# Altium PCB miniBackplane.PcbDoc (part 18 of 24) (continued)
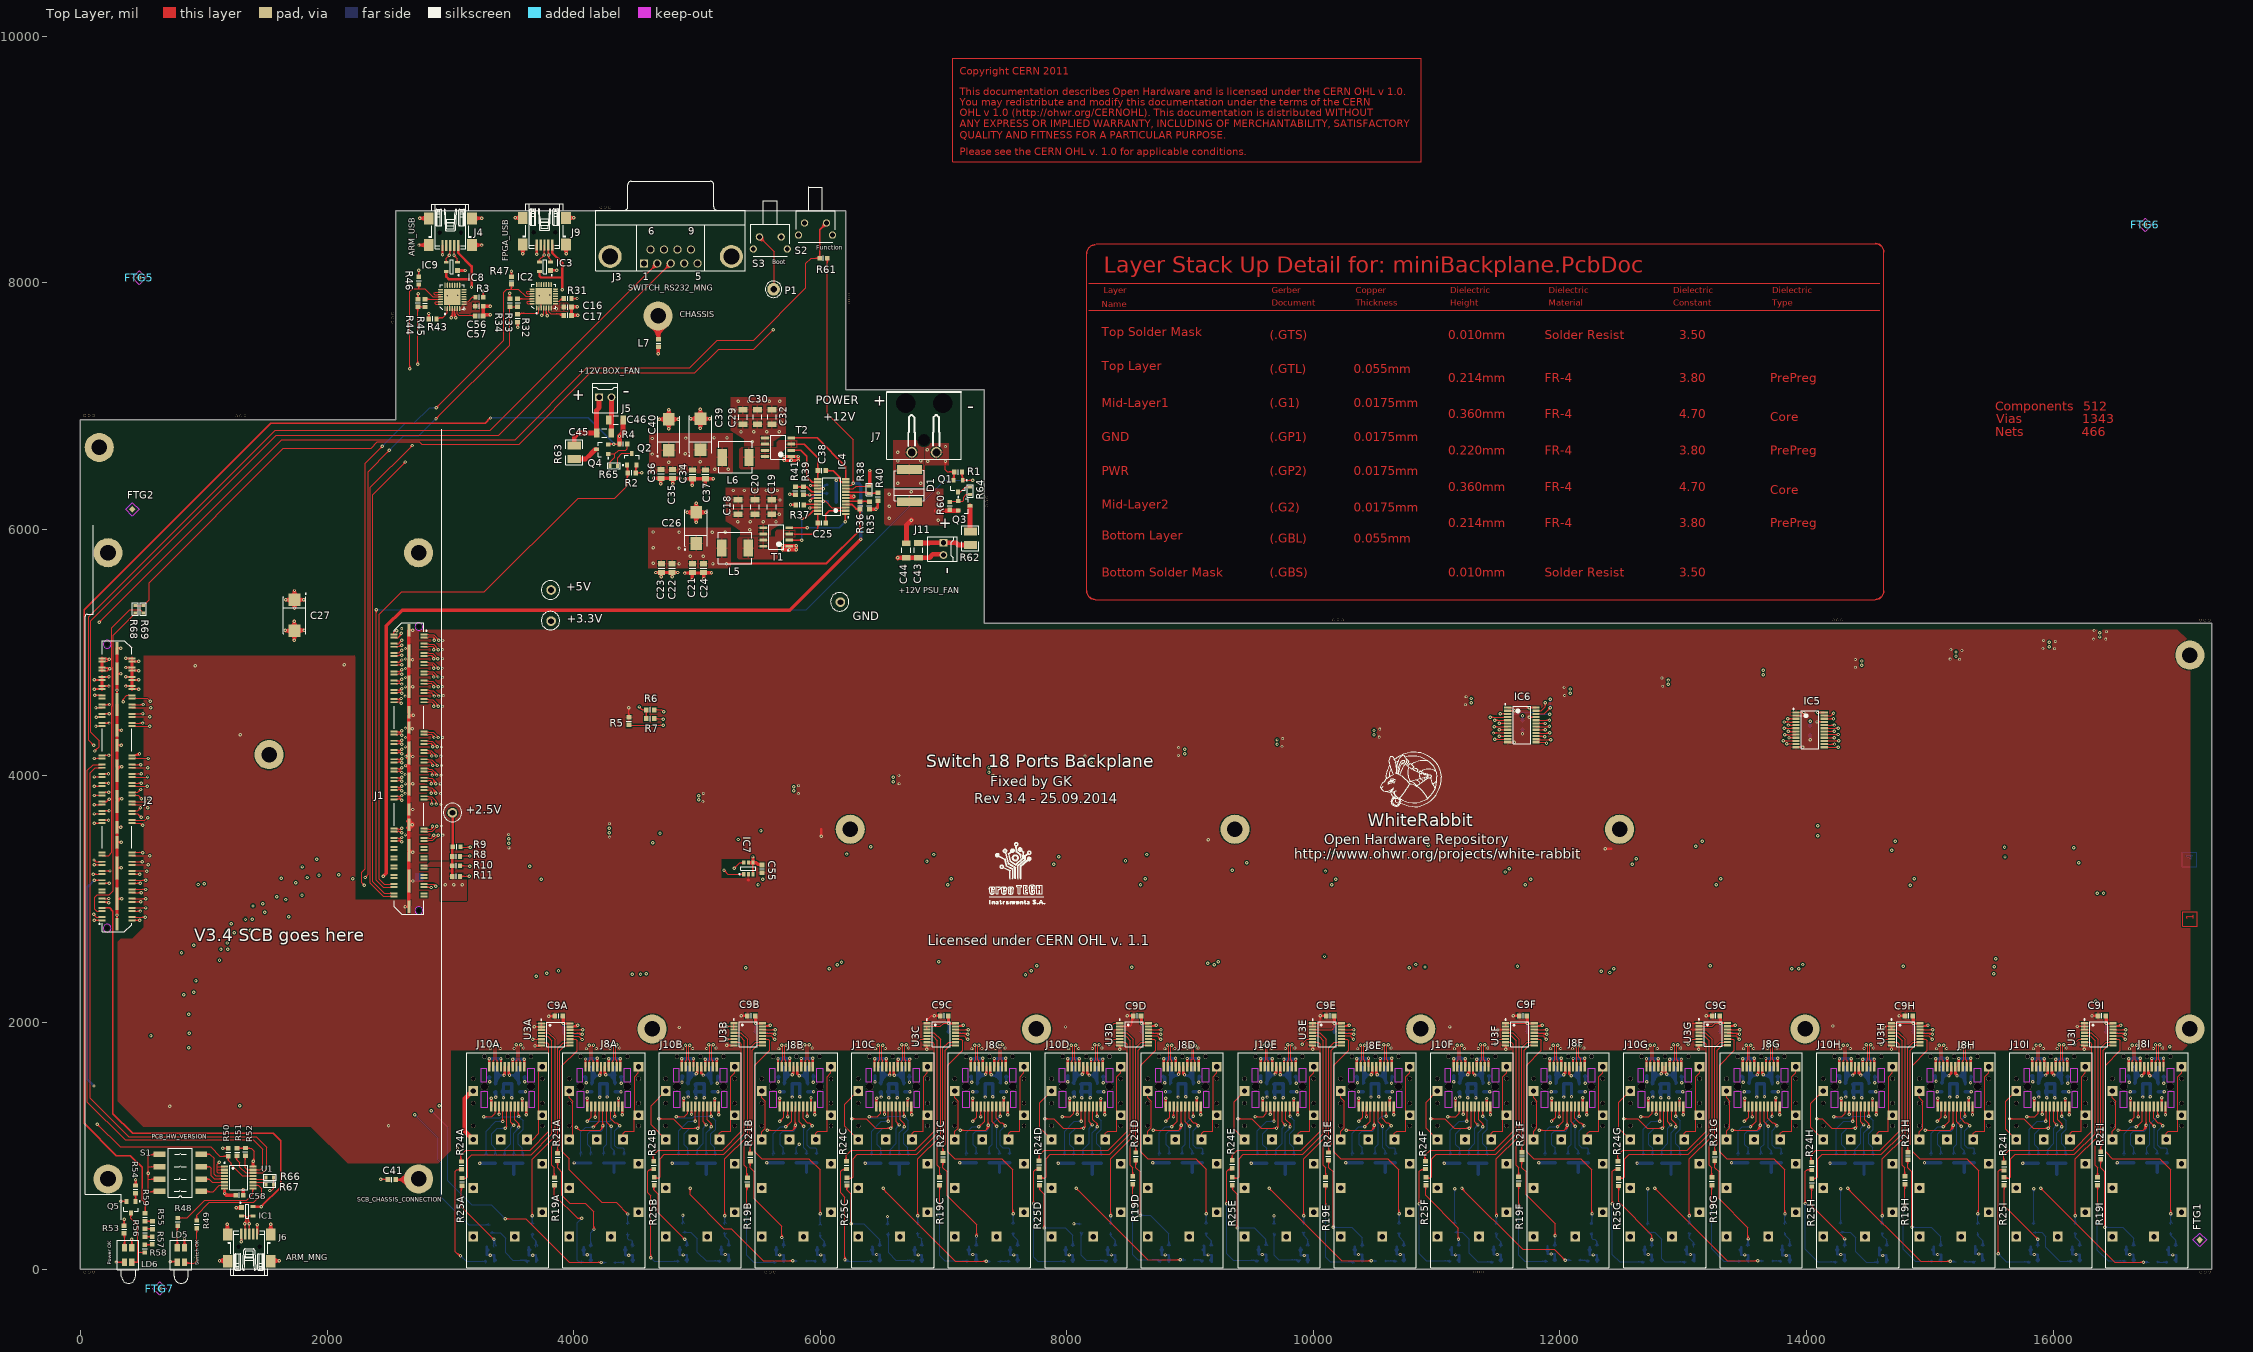
[diagram p0: Top Layer view]
## Nets (pads, with @x,y where several pads share a name; then routed paths per layer and width w, separated by ;. In a path a pad name is that pad's centre, name@x,y a point inside that pad or via, vN(x,y) a via of type N, cw(c..) or ccw(c..) an arc to the next point about the centre after c; other vN are vias at no path point) (continued)
NetC10D_2: C10D.2 C11D.1 J10D.16 L3D.1 | length 1722.8
  Top Layer w19.68: v1@8123.82,1581.32 8133.9,1591.39 ; v1@8130.12,1580.03 cw(c8147.72,1586.07) 8131.6,1595.38 ; J10D.16@8133.9,1642.88 8133.9,1591.39 ; 8133.9,1591.39 ccw(c8143.27,1582.02) 8130.26,1579.5 cw(c8143.27,1582.02) 8133.9,1591.39 ; v1@8123.61,1581.53 ccw(c8098.77,1606.37) 8133.9,1606.37 cw(c8098.77,1606.37) v1@8123.61,1581.53
  Bottom Layer w19.68: C10D.2@8052.68,1634.45 cw(c8043.61,1618.75) C10D.2@8061.13,1623.44 ; L3D.1@8056.13,1505.12 C10D.2@8056.13,1642.13 ; 8058.85,1528.11 ccw(c8071.8,1520.63) L3D.1@8060.55,1510.78 ; L3D.1@8062.18,1507.82 cw(c8083.08,1513.98) 8067.67,1529.39 ; 8062.32,1619 cw(c8086.12,1625.38) C10D.2@8064.78,1637.7 ; L3D.1@8062.62,1506.61 C11D.1@8062.62,1568.62 ; 8063.67,1531.86 ccw(c8037.59,1552.75) C11D.1@8068.98,1564.21 ; 8063.78,1613.07 cw(c8044.99,1595.23) C11D.1@8069.08,1585.69 ; 8068.58,1530.81 ccw(c8041.14,1547.7) C11D.1@8069.59,1562.84 ; C11D.1@8077.62,1573.62 8121.27,1573.62 v1(8126.39,1578.75) ; L3D.1@8049.06,1511.16 ccw(c8016.33,1543.89) 8062.62,1543.89 cw(c8016.33,1543.89) L3D.1@8049.06,1511.16 ; L3D.1@8049.06,1511.16 ccw(c8032.01,1528.21) 8056.13,1528.21 cw(c8032.01,1528.21) L3D.1@8049.06,1511.16 ; L3D.1@8050.69,1512.41 ccw(c8036.71,1536.63) 8063.72,1529.39 ; L3D.1@8050.69,1512.41 ccw(c8027.5,1552.59) 8072.31,1540.58 ; L3D.1@8050.69,1512.41 ccw(c8036.71,1536.63) 8063.72,1529.39 ; L3D.1@8050.69,1512.41 ccw(c8036.71,1536.63) 8063.72,1529.39 ; L3D.1@8050.69,1512.41 ccw(c8027.5,1552.59) 8072.31,1540.58 ; L3D.1@8050.69,1512.41 ccw(c8027.5,1552.59) 8072.31,1540.58 ; 8056.13,1620.74 ccw(c8034.74,1620.74) 8049.86,1635.86 cw(c8034.74,1620.74) 8056.13,1620.74 ; 8056.13,1620.74 cw(c8077.51,1620.74) 8062.39,1635.86 ccw(c8077.51,1620.74) 8056.13,1620.74 ; L3D.1@8056.13,1501.03 cw(c8128.31,1501.03) 8085.56,1559.2 ccw(c8128.31,1501.03) L3D.1@8056.13,1501.03 ; 8056.13,1539.93 cw(c8099.72,1539.93) 8073.9,1575.06 ccw(c8099.72,1539.93) 8056.13,1539.93 ; 8056.13,1571.85 ccw(c8073.12,1571.85) 8064.24,1557.36 cw(c8073.12,1571.85) 8056.13,1571.85 ; 8056.13,1578.83 cw(c8071.13,1578.83) 8062.25,1590.92 ccw(c8071.13,1578.83) 8056.13,1578.83 ; 8056.13,1606.99 ccw(c8094.63,1606.99) 8074.52,1574.15 cw(c8094.63,1606.99) 8056.13,1606.99 ; C10D.2@8056.13,1642.13 ccw(c8116.15,1642.12) 8084.8,1590.93 cw(c8116.15,1642.12) C10D.2@8056.13,1642.13 ; L3D.1@8062.62,1504.43 cw(c8139.16,1504.43) 8086.59,1560.05 ccw(c8139.16,1504.43) L3D.1@8062.62,1504.43 ; C11D.1@8062.62,1550.12 cw(c8095.97,1550.12) 8073.07,1574.36 ccw(c8095.97,1550.12) C11D.1@8062.62,1550.12 ; C11D.1@8086.81,1567.16 cw(c8102.42,1551.54) 8102.42,1573.62 ccw(c8102.42,1551.54) C11D.1@8086.81,1567.16 ; C11D.1@8086.81,1582.47 ccw(c8108.16,1603.82) 8108.16,1573.62 cw(c8108.16,1603.82) C11D.1@8086.81,1582.47 ; 8104.51,1573.62 ccw(c8104.51,1600.63) 8123.61,1581.53 cw(c8104.51,1600.63) 8104.51,1573.62
NetC10E_2: C10E.2 C11E.1 J10E.16 L3E.1 | length 1784.8
  Top Layer w19.68: v1(9689.39,1581.88) 9698.9,1591.39 J10E.16@9698.9,1642.88 ; v1@9693.19,1582.9 cw(c9714.91,1588.72) 9695.44,1599.97 ; v1@9686.6,1584.67 ccw(c9656.92,1614.35) 9698.9,1614.35 cw(c9656.92,1614.35) v1@9686.6,1584.67
  Bottom Layer w19.68: C10E.2@9617.68,1634.45 cw(c9608.61,1618.75) C10E.2@9626.13,1623.44 ; L3E.1@9621.13,1505.12 C10E.2@9621.13,1642.13 ; 9623.85,1528.11 ccw(c9636.8,1520.63) L3E.1@9625.55,1510.78 ; L3E.1@9627.2,1507.76 cw(c9648.54,1513.87) 9632.84,1529.56 ; 9627.32,1619 cw(c9651.11,1625.38) C10E.2@9629.78,1637.7 ; L3E.1@9627.62,1506.61 C11E.1@9627.62,1568.62 ; 9629.2,1532.36 ccw(c9603.74,1554.34) C11E.1@9635.77,1564.62 ; 9629.23,1612.3 cw(c9611.32,1593.58) C11E.1@9635.83,1585.2 ; 9634.05,1531.56 ccw(c9607.81,1549.36) C11E.1@9636.34,1563.2 ; C11E.1@9642.62,1573.62 v1@9681.13,1573.62 ; 9671.6,1576.01 cw(c9682.43,1557.25) v1@9688.32,1578.09 ; L3E.1@9614.06,1511.16 ccw(c9581.33,1543.89) 9627.62,1543.89 cw(c9581.33,1543.89) L3E.1@9614.06,1511.16 ; L3E.1@9614.06,1511.16 ccw(c9597.01,1528.21) 9621.13,1528.21 cw(c9597.01,1528.21) L3E.1@9614.06,1511.16 ; L3E.1@9615.69,1512.41 ccw(c9592.26,1552.99) 9637.53,1540.86 ; L3E.1@9615.69,1512.41 ccw(c9601.4,1537.16) 9629.01,1529.76 ; L3E.1@9615.69,1512.41 ccw(c9592.26,1552.99) 9637.53,1540.86 ; L3E.1@9615.69,1512.41 ccw(c9592.26,1552.99) 9637.53,1540.86 ; L3E.1@9615.69,1512.41 ccw(c9601.4,1537.16) 9629.01,1529.76 ; L3E.1@9615.69,1512.41 ccw(c9601.4,1537.16) 9629.01,1529.76 ; 9621.13,1620.74 ccw(c9599.74,1620.74) 9614.86,1635.86 cw(c9599.74,1620.74) 9621.13,1620.74 ; 9621.13,1620.74 cw(c9642.51,1620.74) 9627.39,1635.86 ccw(c9642.51,1620.74) 9621.13,1620.74 ; L3E.1@9621.13,1500.35 cw(c9692,1500.35) 9652.16,1558.97 ccw(c9692,1500.35) L3E.1@9621.13,1500.35 ; 9621.13,1537.52 cw(c9666.74,1537.52) 9641.1,1575.25 ccw(c9666.74,1537.52) 9621.13,1537.52 ; 9621.13,1574.7 cw(c9641.47,1574.7) 9630.04,1591.53 ccw(c9641.47,1574.7) 9621.13,1574.7 ; 9621.13,1575.64 ccw(c9642.75,1575.64) 9632.36,1556.67 cw(c9642.75,1575.64) 9621.13,1575.64 ; 9621.13,1608.88 ccw(c9660.98,1608.88) 9641.82,1573.93 cw(c9660.98,1608.88) 9621.13,1608.88 ; C10E.2@9621.13,1642.13 ccw(c9679.21,1642.12) 9651.28,1591.19 cw(c9679.21,1642.12) C10E.2@9621.13,1642.13 ; L3E.1@9627.62,1503.9 cw(c9701.42,1503.9) 9653.16,1559.73 ccw(c9701.42,1503.9) L3E.1@9627.62,1503.9 ; 9627.62,1546.94 cw(c9664.22,1546.94) 9640.29,1574.62 ccw(c9664.22,1546.94) 9627.62,1546.94 ; C11E.1@9653.73,1567.16 cw(c9669.35,1551.54) 9669.35,1573.62 ccw(c9669.35,1551.54) C11E.1@9653.73,1567.16 ; C11E.1@9653.73,1582.47 ccw(c9675.09,1603.82) 9675.09,1573.62 cw(c9675.09,1603.82) C11E.1@9653.73,1582.47 ; C11E.1@9659.94,1573.62 ccw(c9659.94,1611.33) 9686.6,1584.67 cw(c9659.94,1611.33) C11E.1@9659.94,1573.62
NetC10F_2: C10F.2 C11F.1 J10F.16 L3F.1 | length 1754.2
  Top Layer w19.68: v1(11251.94,1574.81) 11263.46,1586.33 J10F.16@11263.46,1642.88 ; v1@11255.75,1575.83 cw(c11277.47,1581.65) 11257.99,1592.89 ; v1@11249.16,1577.59 ccw(c11214.63,1612.13) 11263.46,1612.13 cw(c11214.63,1612.13) v1@11249.16,1577.59
  Bottom Layer w19.68: 11183.62,1580.37 cw(c11207.24,1574.04) C11F.1@11209.43,1598.4 ; L3F.1@11185.69,1505.12 C10F.2@11185.69,1642.13 ; 11188.42,1528.11 ccw(c11201.36,1520.63) L3F.1@11190.12,1510.78 ; 11190.77,1623.17 cw(c11218.8,1630.68) C10F.2@11193.67,1645.18 ; L3F.1@11191.51,1508.5 cw(c11208,1515.06) 11195.46,1527.61 ; L3F.1@11192.19,1506.61 C11F.1@11192.19,1568.62 ; 11192.8,1533.46 ccw(c11155.24,1558.68) C11F.1@11198.33,1572.49 ; 11192.84,1616.18 cw(c11180.28,1600.96) C11F.1@11198.59,1593.61 ; 11198.01,1536.48 ccw(c11166.65,1554.58) C11F.1@11198.97,1570.91 ; C11F.1@11207.19,1573.62 11250.76,1573.62 v1(11251.94,1574.81) ; L3F.1@11178.63,1511.16 ccw(c11145.89,1543.89) 11192.19,1543.89 cw(c11145.89,1543.89) L3F.1@11178.63,1511.16 ; L3F.1@11178.63,1511.16 ccw(c11161.58,1528.21) 11185.69,1528.21 cw(c11161.58,1528.21) L3F.1@11178.63,1511.16 ; L3F.1@11180.26,1512.41 ccw(c11159.5,1548.37) 11199.6,1537.62 ; L3F.1@11180.26,1512.41 ccw(c11166.48,1536.28) 11193.1,1529.15 ; L3F.1@11180.26,1512.41 ccw(c11159.5,1548.37) 11199.6,1537.62 ; L3F.1@11180.26,1512.41 ccw(c11166.48,1536.28) 11193.1,1529.15 ; L3F.1@11180.26,1512.41 ccw(c11159.5,1548.37) 11199.6,1537.62 ; L3F.1@11180.26,1512.41 ccw(c11166.48,1536.28) 11193.1,1529.15 ; C11F.1@11216.29,1568.14 ccw(c11274.49,1509.95) 11192.19,1509.95 cw(c11274.49,1509.95) C11F.1@11216.29,1568.14 ; C11F.1@11216.29,1568.14 cw(c11229.53,1554.9) 11229.53,1573.62 ccw(c11229.53,1554.9) C11F.1@11216.29,1568.14 ; 11231.79,1575.83 ccw(c11238,1598.97) v1@11249.98,1578.22 ; 11231.79,1575.83 ccw(c11238,1598.97) v1@11249.98,1578.22 ; 11231.79,1575.83 ccw(c11238,1598.97) v1@11249.98,1578.22 ; C10F.2@11179.74,1643.35 cw(c11165.36,1628.97) 11185.69,1628.97 ccw(c11165.36,1628.97) C10F.2@11179.74,1643.35 ; L3F.1@11185.69,1501.49 cw(c11273.49,1501.49) 11215.76,1567.64 ccw(c11273.49,1501.49) L3F.1@11185.69,1501.49 ; 11185.69,1544.8 cw(c11235.69,1544.8) 11202.81,1582.47 ccw(c11235.69,1544.8) 11185.69,1544.8 ; 11185.69,1580.86 ccw(c11204.66,1580.86) 11196.78,1563.61 cw(c11204.66,1580.86) 11185.69,1580.86 ; 11185.69,1588.11 cw(c11197.89,1588.11) 11189.87,1597.3 ccw(c11197.89,1588.11) 11185.69,1588.11 ; 11185.69,1611.49 ccw(c11218.65,1611.49) 11204.96,1581.52 cw(c11218.65,1611.49) 11185.69,1611.49 ; 11185.69,1627.49 cw(c11208.13,1627.49) 11192.26,1643.35 ccw(c11208.13,1627.49) 11185.69,1627.49 ; C10F.2@11185.69,1642.12 ccw(c11232.64,1642.12) 11213.14,1599.42 cw(c11232.64,1642.12) C10F.2@11185.69,1642.12 ; C11F.1@11192.19,1557.47 cw(c11226.96,1557.47) 11202.37,1582.06 ccw(c11226.96,1557.47) C11F.1@11192.19,1557.47 ; C11F.1@11216.29,1583.45 ccw(c11240.02,1607.18) 11240.02,1573.62 cw(c11240.02,1607.18) C11F.1@11216.29,1583.45
NetC10G_2: C10G.2 C11G.1 J10G.16 L3G.1 | length 1766.7
  Top Layer w19.68: v1(12822.81,1582.68) 12819.76,1582.68 12828.46,1591.39 J10G.16@12828.46,1642.88 ; v1@12820.03,1585.47 ccw(c12799.66,1605.84) 12828.46,1605.84 cw(c12799.66,1605.84) v1@12820.03,1585.47
  Bottom Layer w19.68: C10G.2@12747.25,1634.45 cw(c12738.18,1618.75) C10G.2@12755.7,1623.44 ; L3G.1@12750.69,1505.12 C10G.2@12750.69,1642.13 ; 12753.42,1528.11 ccw(c12766.36,1520.63) L3G.1@12755.12,1510.78 ; L3G.1@12756.77,1507.76 cw(c12778.09,1513.87) 12762.4,1529.55 ; 12756.89,1619 cw(c12780.68,1625.38) C10G.2@12759.35,1637.7 ; L3G.1@12757.19,1506.61 C11G.1@12757.19,1568.62 ; 12758.75,1532.34 ccw(c12733.26,1554.28) C11G.1@12765.26,1564.6 ; 12758.78,1612.33 cw(c12740.83,1593.65) C11G.1@12765.33,1585.22 ; 12763.59,1531.53 ccw(c12737.31,1549.3) C11G.1@12765.83,1563.18 ; C11G.1@12772.19,1573.62 12810.69,1573.62 12819.76,1582.68 v1(12822.81,1582.68) ; 12804.73,1576.64 cw(c12815.97,1557.16) v1@12821.79,1578.88 ; L3G.1@12743.63,1511.16 ccw(c12710.89,1543.89) 12757.19,1543.89 cw(c12710.89,1543.89) L3G.1@12743.63,1511.16 ; L3G.1@12743.63,1511.16 ccw(c12726.58,1528.21) 12750.69,1528.21 cw(c12726.58,1528.21) L3G.1@12743.63,1511.16 ; L3G.1@12745.26,1512.41 ccw(c12721.84,1552.98) 12767.08,1540.85 ; L3G.1@12745.26,1512.41 ccw(c12730.98,1537.14) 12758.56,1529.75 ; L3G.1@12745.26,1512.41 ccw(c12721.84,1552.98) 12767.08,1540.85 ; L3G.1@12745.26,1512.41 ccw(c12730.98,1537.14) 12758.56,1529.75 ; L3G.1@12745.26,1512.41 ccw(c12721.84,1552.98) 12767.08,1540.85 ; L3G.1@12745.26,1512.41 ccw(c12730.98,1537.14) 12758.56,1529.75 ; 12750.69,1620.74 ccw(c12729.31,1620.74) 12744.43,1635.86 cw(c12729.31,1620.74) 12750.69,1620.74 ; 12750.69,1620.74 cw(c12772.08,1620.74) 12756.96,1635.86 ccw(c12772.08,1620.74) 12750.69,1620.74 ; L3G.1@12750.69,1500.37 cw(c12821.62,1500.37) 12781.67,1558.98 ccw(c12821.62,1500.37) L3G.1@12750.69,1500.37 ; 12750.69,1537.62 cw(c12796.23,1537.62) 12770.58,1575.24 ccw(c12796.23,1537.62) 12750.69,1537.62 ; 12750.69,1574.86 cw(c12770.83,1574.86) 12759.49,1591.51 ccw(c12770.83,1574.86) 12750.69,1574.86 ; 12750.69,1575.49 ccw(c12772.15,1575.49) 12761.8,1556.7 cw(c12772.15,1575.49) 12750.69,1575.49 ; 12750.69,1608.81 ccw(c12790.5,1608.81) 12771.29,1573.94 cw(c12790.5,1608.81) 12750.69,1608.81 ; C10G.2@12750.69,1642.13 ccw(c12808.85,1642.12) 12780.79,1591.18 cw(c12808.85,1642.12) C10G.2@12750.69,1642.13 ; L3G.1@12757.19,1503.92 cw(c12831.09,1503.92) 12782.66,1559.74 ccw(c12831.09,1503.92) L3G.1@12757.19,1503.92 ; 12757.19,1547.06 cw(c12793.67,1547.06) 12769.76,1574.61 ccw(c12793.67,1547.06) 12757.19,1547.06 ; C11G.1@12783.22,1567.16 cw(c12798.83,1551.54) 12798.83,1573.62 ccw(c12798.83,1551.54) C11G.1@12783.22,1567.16 ; C11G.1@12783.22,1582.47 ccw(c12804.58,1603.82) 12804.58,1573.62 cw(c12804.58,1603.82) C11G.1@12783.22,1582.47 ; C11G.1@12791.43,1573.62 ccw(c12791.43,1614.07) 12820.03,1585.47 cw(c12791.43,1614.07) C11G.1@12791.43,1573.62
NetC10H_2: C10H.2 C11H.1 J10H.16 L3H.1 | length 1429.3
  Top Layer w19.68: v1(14375.69,1573.62) 14393.46,1591.39 J10H.16@14393.46,1642.88
  Bottom Layer w19.68: C10H.2@14312.25,1634.45 cw(c14303.18,1618.75) C10H.2@14320.7,1623.44 ; L3H.1@14315.69,1505.12 C10H.2@14315.69,1642.13 ; 14318.42,1528.11 ccw(c14331.36,1520.63) L3H.1@14320.12,1510.78 ; L3H.1@14321.14,1509.29 cw(c14333.47,1515.87) 14323.59,1525.74 ; 14321.89,1619 cw(c14345.68,1625.38) C10H.2@14324.35,1637.7 ; 14321.96,1531.09 ccw(c14287.77,1551.98) C11H.1@14324.66,1567.63 ; L3H.1@14322.19,1506.61 C11H.1@14322.19,1568.62 ; 14322.4,1616 cw(c14305.37,1601.43) C11H.1@14325.09,1590.78 ; C11H.1@14325.96,1565.37 cw(c14306.52,1550.82) 14327.55,1538.69 ; C11H.1@14337.19,1573.62 v1(14375.69,1573.62) ; L3H.1@14308.63,1511.16 ccw(c14275.89,1543.89) 14322.19,1543.89 cw(c14275.89,1543.89) L3H.1@14308.63,1511.16 ; L3H.1@14308.63,1511.16 ccw(c14291.58,1528.21) 14315.69,1528.21 cw(c14291.58,1528.21) L3H.1@14308.63,1511.16 ; L3H.1@14310.26,1512.41 ccw(c14292.04,1543.96) 14327.23,1534.53 ; L3H.1@14310.26,1512.41 ccw(c14296.92,1535.52) 14322.69,1528.61 ; L3H.1@14310.26,1512.41 ccw(c14292.04,1543.96) 14327.23,1534.53 ; L3H.1@14310.26,1512.41 ccw(c14296.92,1535.52) 14322.69,1528.61 ; L3H.1@14310.26,1512.41 ccw(c14292.04,1543.96) 14327.23,1534.53 ; L3H.1@14310.26,1512.41 ccw(c14296.92,1535.52) 14322.69,1528.61 ; 14315.69,1620.74 ccw(c14294.31,1620.74) 14309.43,1635.86 cw(c14294.31,1620.74) 14315.69,1620.74 ; 14315.69,1620.74 cw(c14337.08,1620.74) 14321.96,1635.86 ccw(c14337.08,1620.74) 14315.69,1620.74 ; C11H.1@14342.28,1564.2 ccw(c14390.78,1515.7) 14322.19,1515.7 cw(c14390.78,1515.7) C11H.1@14342.28,1564.2 ; C11H.1@14342.28,1564.2 cw(c14365.02,1541.46) 14365.02,1573.62 ccw(c14365.02,1541.46) C11H.1@14342.28,1564.2 ; 14359.35,1572.1 cw(c14364.26,1553.81) v1@14373.72,1570.21 ; 14359.35,1572.1 cw(c14364.26,1553.81) v1@14373.72,1570.21 ; 14359.35,1572.1 cw(c14364.26,1553.81) v1@14373.72,1570.21 ; L3H.1@14315.69,1502.49 cw(c14400.6,1502.49) 14342.08,1564.01 ccw(c14400.6,1502.49) L3H.1@14315.69,1502.49 ; 14315.69,1548.38 cw(c14356.95,1548.38) 14328.52,1578.28 ccw(c14356.95,1548.38) 14315.69,1548.38 ; C11H.1@14315.69,1567.39 ccw(c14322.11,1567.39) 14318.48,1562.1 cw(c14322.11,1567.39) C11H.1@14315.69,1567.39 ; C11H.1@14315.69,1604.76 ccw(c14347.73,1604.76) 14329.61,1578.33 cw(c14347.73,1604.76) C11H.1@14315.69,1604.76 ; C10H.2@14315.69,1642.13 ccw(c14373.36,1642.12) 14340.75,1594.57 cw(c14373.36,1642.12) C10H.2@14315.69,1642.13 ; C11H.1@14342.28,1579.51 ccw(c14356.5,1593.74) 14356.5,1573.62 cw(c14356.5,1593.74) C11H.1@14342.28,1579.51
NetC10I_2: C10I.2 C11I.1 J10I.16 L3I.1 | length 1612.7
  Top Layer w19.68: v1(15940.69,1573.62) 15958.46,1591.39 J10I.16@15958.46,1642.88
  Bottom Layer w19.68: C10I.2@15877.25,1634.45 cw(c15868.18,1618.75) C10I.2@15885.7,1623.44 ; 15878.55,1582.23 ccw(c15903.65,1588.95) C11I.1@15902.08,1563.02 ; L3I.1@15880.69,1505.12 C10I.2@15880.69,1642.13 ; 15883.42,1528.11 ccw(c15896.36,1520.63) L3I.1@15885.12,1510.78 ; L3I.1@15886.59,1508.31 cw(c15904.21,1514.8) 15890.93,1528.08 ; 15886.89,1619 cw(c15910.68,1625.38) C10I.2@15889.35,1637.7 ; L3I.1@15887.19,1506.61 C11I.1@15887.19,1568.62 ; 15887.75,1532.39 ccw(c15855.77,1554.77) C11I.1@15892.44,1568.15 ; 15888.01,1614.88 cw(c15872.27,1599.02) C11I.1@15892.71,1590.01 ; 15892.89,1534.11 ccw(c15864.36,1550.58) C11I.1@15893.15,1566.6 ; C11I.1@15902.19,1573.62 v1(15940.69,1573.62) ; L3I.1@15873.63,1511.16 ccw(c15840.89,1543.89) 15887.19,1543.89 cw(c15840.89,1543.89) L3I.1@15873.63,1511.16 ; L3I.1@15873.63,1511.16 ccw(c15856.58,1528.21) 15880.69,1528.21 cw(c15856.58,1528.21) L3I.1@15873.63,1511.16 ; L3I.1@15875.26,1512.41 ccw(c15853.85,1549.49) 15895.21,1538.41 ; L3I.1@15875.26,1512.41 ccw(c15861.53,1536.19) 15888.05,1529.08 ; L3I.1@15875.26,1512.41 ccw(c15853.85,1549.49) 15895.21,1538.41 ; L3I.1@15875.26,1512.41 ccw(c15861.53,1536.19) 15888.05,1529.08 ; L3I.1@15875.26,1512.41 ccw(c15853.85,1549.49) 15895.21,1538.41 ; L3I.1@15875.26,1512.41 ccw(c15861.53,1536.19) 15888.05,1529.08 ; 15880.69,1620.74 ccw(c15859.31,1620.74) 15874.43,1635.86 cw(c15859.31,1620.74) 15880.69,1620.74 ; 15880.69,1620.74 cw(c15902.08,1620.74) 15886.96,1635.86 ccw(c15902.08,1620.74) 15880.69,1620.74 ; C11I.1@15910.27,1564.2 ccw(c15965.99,1508.48) 15887.19,1508.48 cw(c15965.99,1508.48) C11I.1@15910.27,1564.2 ; C11I.1@15910.27,1564.2 cw(c15933.01,1541.46) 15933.01,1573.62 ccw(c15933.01,1541.46) C11I.1@15910.27,1564.2 ; 15926.36,1571.84 cw(c15930.58,1556.1) v1@15938.72,1570.21 ; 15926.36,1571.84 cw(c15930.58,1556.1) v1@15938.72,1570.21 ; 15926.36,1571.84 cw(c15930.58,1556.1) v1@15938.72,1570.21 ; L3I.1@15880.69,1501.61 cw(c15961.58,1501.61) 15909.57,1563.57 ccw(c15961.58,1501.61) L3I.1@15880.69,1501.61 ; 15880.69,1543.84 cw(c15926.13,1543.84) 15896.92,1578.64 ccw(c15926.13,1543.84) 15880.69,1543.84 ; 15880.69,1574.22 ccw(c15896.07,1574.22) 15888.43,1560.87 cw(c15896.07,1574.22) 15880.69,1574.22 ; 15880.69,1586.06 cw(c15890.69,1586.06) 15884.26,1593.72 ccw(c15890.69,1586.06) 15880.69,1586.06 ; 15880.69,1608.17 ccw(c15915.51,1608.17) 15898.21,1577.95 cw(c15915.51,1608.17) 15880.69,1608.17 ; C10I.2@15880.69,1642.13 ccw(c15934.95,1642.12) 15907.99,1595.03 cw(c15934.95,1642.12) C10I.2@15880.69,1642.13 ; C11I.1@15887.19,1556 cw(c15918.47,1556) 15896.35,1578.12 ccw(c15918.47,1556) C11I.1@15887.19,1556 ; C11I.1@15910.27,1579.51 ccw(c15924.49,1593.74) 15924.49,1573.62 cw(c15924.49,1593.74) C11I.1@15910.27,1579.51
NetC13A_1: C13A.1 C15A.2 J10A.15 L4A.1 | length 1172.6
  Top Layer w7.87: v1@3473.94,1579.54 v1(3480.33,1573.15)
  Top Layer w19.68: v1@3473.94,1579.54 J10A.15@3473.94,1641.22 ; 3476.1,1588.08 cw(c3463.5,1580.8) v1@3476.75,1574.78 ; 3473.94,1598.09 ccw(c3505.27,1598.09) 3483.11,1575.93 cw(c3505.27,1598.09) 3473.94,1598.09
  Bottom Layer w19.68: v1@3480.33,1571.96 C15A.2@3543.17,1571.96 ; C15A.2@3541.58,1580.08 cw(c3564.73,1589.24) 3547,1606.72 ; C15A.2@3541.63,1558.47 ccw(c3568.62,1548.18) 3546.99,1529.04 ; C13A.1@3546.48,1636.04 cw(c3522.65,1622.28) 3549.23,1615.15 ; 3549.06,1525.02 cw(c3538.34,1514.3) L4A.1@3551.98,1507.68 ; L4A.1@3554.67,1503.46 C13A.1@3554.67,1635.46 ; 3545.25,1534.21 ccw(c3582.06,1544.07) L4A.1@3563.01,1511.07 ; 3545.25,1534.21 ccw(c3582.06,1544.07) L4A.1@3563.01,1511.07 ; 3545.25,1534.21 ccw(c3582.06,1544.07) L4A.1@3563.01,1511.07 ; C13A.1@3554.67,1635.46 cw(c3496.66,1635.46) 3526.03,1585.44 ccw(c3496.66,1635.46) C13A.1@3554.67,1635.46 ; 3498.74,1571.96 cw(c3498.74,1536.44) 3523.86,1561.56 ccw(c3498.74,1536.44) 3498.74,1571.96 ; C15A.2@3525.54,1553.3 cw(c3489.64,1499.07) 3554.67,1499.07 ccw(c3489.64,1499.07) C15A.2@3525.54,1553.3 ; C15A.2@3536,1568.46 ccw(c3516.85,1601.08) 3554.67,1601.08 cw(c3516.85,1601.08) C15A.2@3536,1568.46 ; C15A.2@3536.4,1569.71 cw(c3513.89,1535.71) 3554.67,1535.71 ccw(c3513.89,1535.71) C15A.2@3536.4,1569.71 ; C15A.2@3545.96,1551.49 ccw(c3537.03,1566.69) 3554.67,1566.69 cw(c3537.03,1566.69) C15A.2@3545.96,1551.49 ; C15A.2@3547.27,1586.12 cw(c3538.15,1572.35) 3554.67,1572.35 ccw(c3538.15,1572.35) C15A.2@3547.27,1586.12 ; C13A.1@3548.87,1634.2 cw(c3534.87,1620.2) 3554.67,1620.2 ccw(c3534.87,1620.2) C13A.1@3548.87,1634.2 ; 3554.67,1533.89 ccw(c3588.71,1533.89) 3564.64,1509.82 cw(c3588.71,1533.89) 3554.67,1533.89 ; 3554.67,1617.96 cw(c3577.64,1617.96) 3561.4,1634.2 ccw(c3577.64,1617.96) 3554.67,1617.96
NetC13B_1: C13B.1 C15B.2 J10B.15 L4B.1 | length 957.8
  Top Layer w19.68: J10B.15@5035.39,1642.87 5035.39,1589.35 v1(5051.13,1573.61)
  Bottom Layer w19.68: v1(5051.13,1573.61) C15B.2@5104.63,1573.61 ; C13B.1@5107.47,1632.69 cw(c5086.14,1620.37) 5109.93,1614 ; C15B.2@5108.1,1587.29 cw(c5126.59,1598.44) 5109.76,1611.98 ; C15B.2@5108.53,1563.09 ccw(c5139.2,1547.84) 5110.06,1529.84 ; C13B.1@5111.12,1618.43 cw(c5128.64,1613.74) C13B.1@5119.57,1629.45 ; L4B.1@5116.13,1505.11 C13B.1@5116.13,1637.12 ; 5109.25,1528.45 ccw(c5134.77,1535.28) L4B.1@5121.56,1512.4 ; 5109.25,1528.45 ccw(c5134.77,1535.28) L4B.1@5121.56,1512.4 ; 5109.25,1528.45 ccw(c5134.77,1535.28) L4B.1@5121.56,1512.4 ; 5116.13,1615.73 ccw(c5094.74,1615.73) 5109.86,1630.85 cw(c5094.74,1615.73) 5116.13,1615.73 ; 5116.13,1615.73 cw(c5137.51,1615.73) 5122.39,1630.85 ccw(c5137.51,1615.73) 5116.13,1615.73 ; C13B.1@5116.13,1637.12 cw(c5058.27,1637.12) 5092.44,1590.43 ccw(c5058.27,1637.12) C13B.1@5116.13,1637.12 ; 5069.83,1573.61 ccw(c5069.83,1603.81) 5091.18,1582.46 cw(c5069.83,1603.81) 5069.83,1573.61 ; 5075.57,1573.61 cw(c5075.57,1551.54) 5091.18,1567.15 ccw(c5075.57,1551.54) 5075.57,1573.61 ; C15B.2@5091.41,1560.03 cw(c5037.45,1502.78) 5116.13,1502.78 ccw(c5037.45,1502.78) C15B.2@5091.41,1560.03 ; C15B.2@5104.07,1574.54 ccw(c5086.67,1598.32) 5116.13,1598.32 cw(c5086.67,1598.32) C15B.2@5104.07,1574.54 ; C15B.2@5104.91,1574.36 cw(c5080.42,1548.38) 5116.13,1548.38 ccw(c5080.42,1548.38) C15B.2@5104.91,1574.36 ; C15B.2@5115.69,1558.66 ccw(c5115.07,1559.51) 5116.13,1559.51 cw(c5115.07,1559.51) C15B.2@5115.69,1558.66 ; 5116.13,1528.2 ccw(c5140.24,1528.2) 5123.19,1511.15 cw(c5140.24,1528.2) 5116.13,1528.2
NetC13C_1: C13C.1 C15C.2 J10C.15 L4C.1 | length 1180.6
  Top Layer w7.87: v1@6597.89,1577.3 v1(6602.36,1572.83)
  Top Layer w19.68: v1@6597.89,1577.3 J10C.15@6597.89,1641.22 ; 6597.89,1593.13 ccw(c6622.65,1593.13) 6605.15,1575.62 cw(c6622.65,1593.13) 6597.89,1593.13
  Bottom Layer w19.68: v1@6605.46,1572.64 C15C.2@6648.96,1572.64 ; C15C.2@6661.8,1585.26 cw(c6682.57,1592.49) 6668.49,1609.39 ; C15C.2@6661.86,1564.54 ccw(c6693.77,1554.07) 6668.22,1532.28 ; C13C.1@6669.49,1639.27 cw(c6648.68,1627.26) 6671.89,1621.04 ; 6670.5,1526.28 cw(c6661.62,1517.41) L4C.1@6672.38,1510.94 ; 6672.86,1624.65 cw(c6690.97,1619.8) C13C.1@6681.59,1636.03 ; L4C.1@6676.2,1505.12 C13C.1@6676.2,1637.13 ; 6667.07,1534.57 ccw(c6700.24,1543.45) L4C.1@6683.07,1513.71 ; 6667.07,1534.57 ccw(c6700.24,1543.45) L4C.1@6683.07,1513.71 ; 6667.07,1534.57 ccw(c6700.24,1543.45) L4C.1@6683.07,1513.71 ; 6620.21,1572.64 ccw(c6620.21,1606.17) 6643.92,1582.46 cw(c6620.21,1606.17) 6620.21,1572.64 ; 6630.66,1572.64 cw(c6630.66,1553.89) 6643.92,1567.15 ccw(c6630.66,1553.89) 6630.66,1572.64 ; C15C.2@6645.44,1559 cw(c6605.15,1500.46) 6676.2,1500.46 ccw(c6605.15,1500.46) C15C.2@6645.44,1559 ; C15C.2@6647.04,1591.52 ccw(c6625.97,1637.12) 6676.2,1637.12 cw(c6625.97,1637.12) C15C.2@6647.04,1591.52 ; C15C.2@6655.29,1573.65 ccw(c6640.19,1606.35) 6676.2,1606.35 cw(c6640.19,1606.35) C15C.2@6655.29,1573.65 ; C15C.2@6656.6,1575.21 cw(c6630.92,1537.91) 6676.2,1537.91 ccw(c6630.92,1537.91) C15C.2@6656.6,1575.21 ; C15C.2@6663.54,1555.78 ccw(c6654.4,1575.57) 6676.2,1575.57 cw(c6654.4,1575.57) C15C.2@6663.54,1555.78 ; C15C.2@6667.76,1591.43 cw(c6656.7,1575.36) 6676.2,1575.36 ccw(c6656.7,1575.36) C15C.2@6667.76,1591.43 ; C13C.1@6670.9,1637.44 cw(c6658.1,1624.63) 6676.2,1624.63 ccw(c6658.1,1624.63) C13C.1@6670.9,1637.44 ; 6676.2,1532.97 ccw(c6705.22,1532.97) 6684.7,1512.46 cw(c6705.22,1532.97) 6676.2,1532.97 ; 6676.2,1620 cw(c6700.87,1620) 6683.43,1637.44 ccw(c6700.87,1620) 6676.2,1620
NetC13D_1: C13D.1 C15D.2 J10D.15 L4D.1 | length 1076.1
  Top Layer w19.68: J10D.15@8165.39,1642.88 8165.39,1589.35 v1(8181.13,1573.62)
  Bottom Layer w19.68: v1(8181.13,1573.62) C15D.2@8234.63,1573.62 ; C15D.2@8225.1,1559.07 ccw(c8224.32,1583.93) 8248.34,1577.49 ; C15D.2@8234.64,1586.26 cw(c8254.07,1595.28) 8238.98,1610.49 ; C15D.2@8234.85,1563.86 ccw(c8265.83,1551.32) 8239.04,1531.35 ; C13D.1@8237.47,1632.7 cw(c8216.14,1620.38) 8239.93,1614 ; C13D.1@8241.12,1618.44 cw(c8258.64,1613.75) C13D.1@8249.57,1629.45 ; L4D.1@8246.13,1505.12 C13D.1@8246.13,1637.13 ; 8238.76,1529.09 ccw(c8265.29,1536.19) L4D.1@8251.56,1512.41 ; 8238.76,1529.09 ccw(c8265.29,1536.19) L4D.1@8251.56,1512.41 ; 8238.76,1529.09 ccw(c8265.29,1536.19) L4D.1@8251.56,1512.41 ; 8246.13,1615.74 ccw(c8224.74,1615.74) 8239.86,1630.86 cw(c8224.74,1615.74) 8246.13,1615.74 ; 8246.13,1615.74 cw(c8267.51,1615.74) 8252.39,1630.86 ccw(c8267.51,1615.74) 8246.13,1615.74 ; 8195.81,1573.62 ccw(c8195.81,1603.82) 8217.16,1582.47 cw(c8195.81,1603.82) 8195.81,1573.62 ; 8201.55,1573.62 cw(c8201.55,1551.54) 8217.16,1567.16 ccw(c8201.55,1551.54) 8201.55,1573.62 ; C15D.2@8218.11,1559.42 cw(c8172.46,1501.61) 8246.13,1501.61 ccw(c8172.46,1501.61) C15D.2@8218.11,1559.42 ; C15D.2@8219.44,1591.1 ccw(c8193.09,1637.12) C13D.1@8246.13,1637.13 cw(c8193.09,1637.12) C15D.2@8219.44,1591.1 ; C15D.2@8229.22,1574.01 ccw(c8212.53,1603.17) 8246.13,1603.17 cw(c8212.53,1603.17) C15D.2@8229.22,1574.01 ; C15D.2@8230.31,1574.87 cw(c8204.53,1542.23) 8246.13,1542.23 ccw(c8204.53,1542.23) C15D.2@8230.31,1574.87 ; C15D.2@8239,1556.93 ccw(c8231.96,1569.22) 8246.13,1569.22 cw(c8231.96,1569.22) C15D.2@8239,1556.93 ; C15D.2@8242.51,1590.32 cw(c8236.61,1582.85) 8246.13,1582.85 ccw(c8236.61,1582.85) C15D.2@8242.51,1590.32 ; 8246.13,1528.21 ccw(c8270.24,1528.21) 8253.19,1511.16 cw(c8270.24,1528.21) 8246.13,1528.21